# KiCad board System-Controller.kicad_pcb
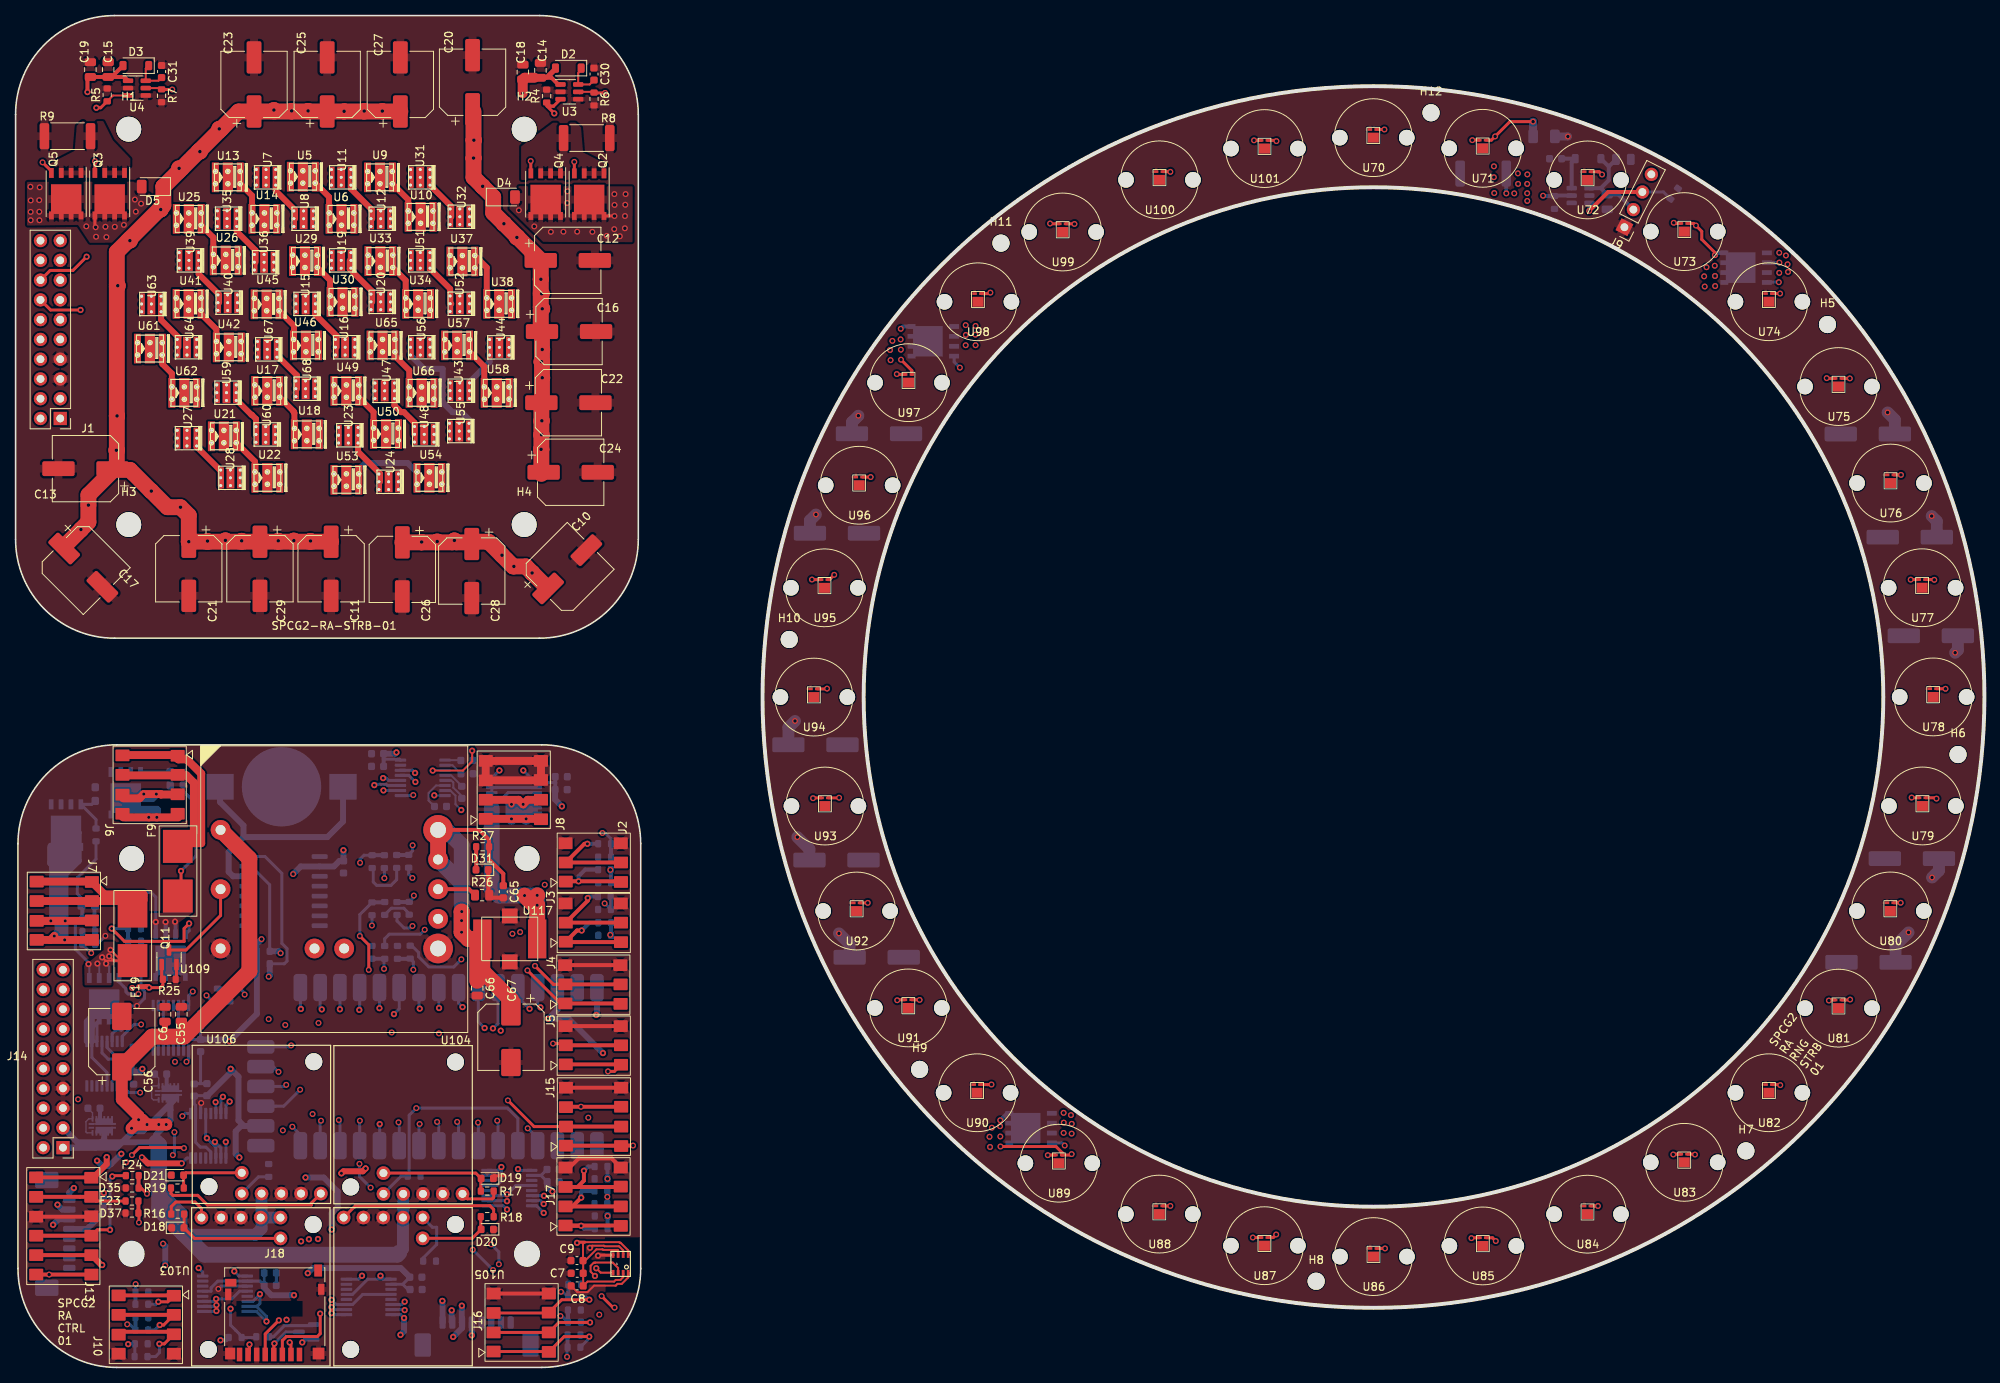
[diagram p0: board, top side]
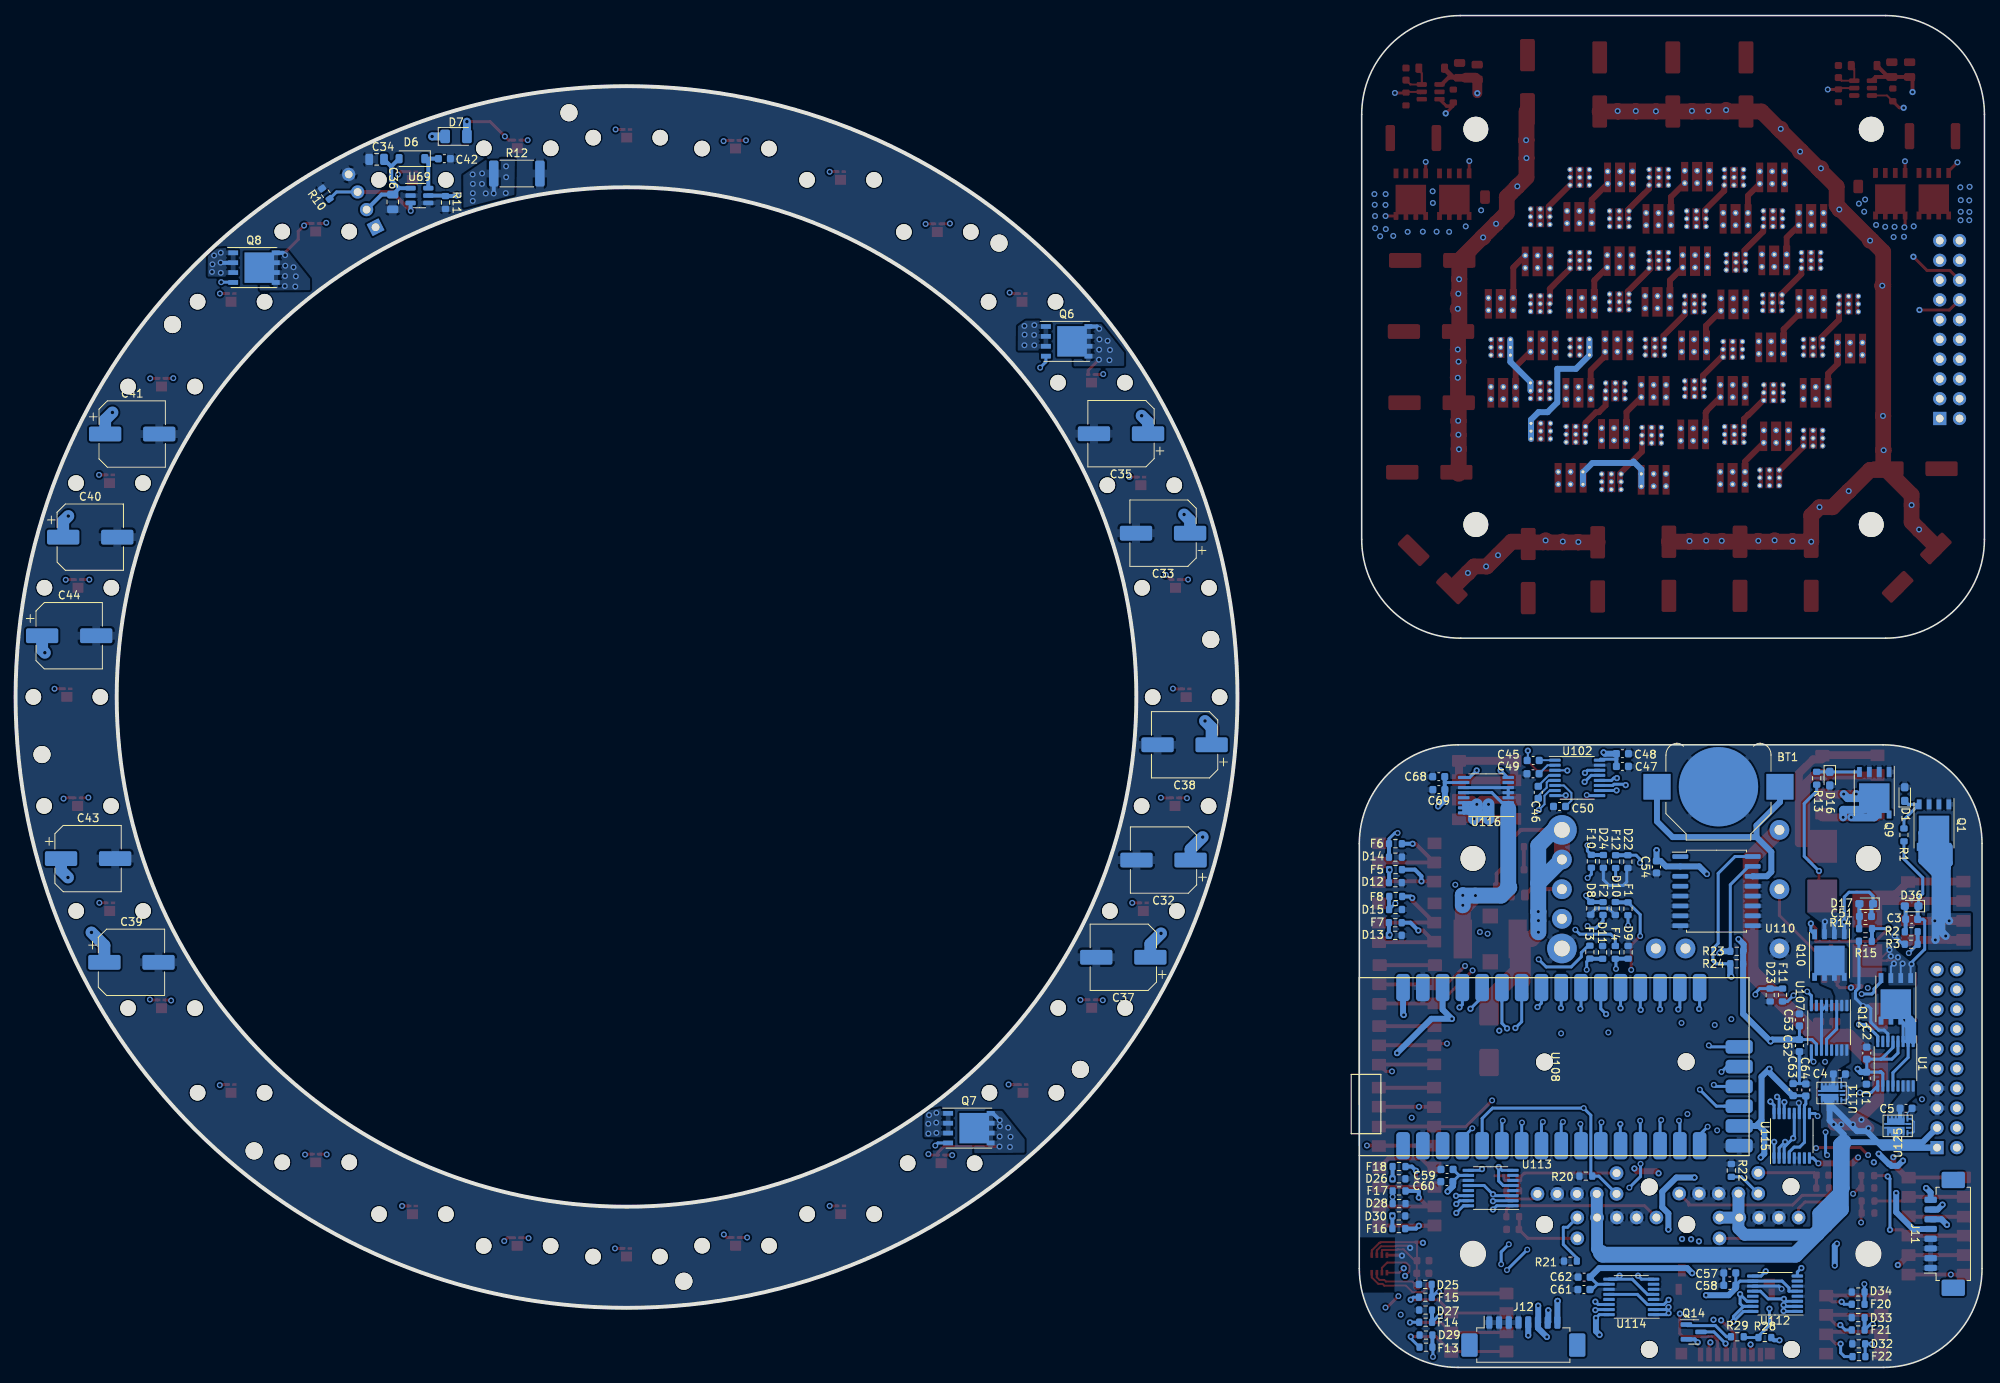
[diagram p1: board, bottom side, seen from below]

Outline 252.93 x 173.7 mm; copper layers: Top, In1.Cu, In2.Cu, In3.Cu, In4.Cu, Bottom. Coordinates in mm from the lower left corner of the outline.
Outline path: circle c14.91,14.6 r1.59 ; circle c65.71,14.6 r1.59 ; circle c174.45,86.14 r65.49 ; circle c174.45,86.14 r78.49 ; 0,161 arc(3.72,169.98) 12.7,173.7 67.3,173.7 arc(76.28,169.98) 80,161 80,106.4 arc(76.28,97.42) 67.3,93.7 12.7,93.7 arc(3.72,97.42) 0,106.4 0,161 ; 0.31,67.3 arc(4.03,76.28) 13.01,80 67.61,80 arc(76.59,76.28) 80.31,67.3 80.31,12.7 arc(76.59,3.72) 67.61,0 13.01,0 arc(4.03,3.72) 0.31,12.7 0.31,67.3
Stack: Top 0.035mm / dielectric 0.2715mm FR4 er 4.5 / In1.Cu 0.035mm / dielectric 0.2715mm FR4 er 4.5 / In2.Cu 0.035mm / dielectric 0.2715mm FR4 er 4.5 / In3.Cu 0.035mm / dielectric 0.2715mm FR4 er 4.5 / In4.Cu 0.035mm / dielectric 0.2715mm FR4 er 4.5 / Bottom 0.035mm

## Placement (name value [footprint] x y rotation side)
BT1  Battery_Cell  [BatteryHolder_Keystone_3000_1x12mm]  34.17 74.61 0 bottom
C1  1 uF  [C_0603_1608Metric]  15.17 37.17 270 bottom
C2  0.1 uF  [C_0603_1608Metric]  15.12 40.39 90 bottom
C3  1 uF  [C_0603_1608Metric]  9.35 57.58 0 bottom
C4  0.1 uF  [C_0603_1608Metric]  18.64 37.69 0 bottom
C5  0.1 uF  [C_0603_1608Metric]  10.07 33.3 0 bottom
C6  10 uF 50V  [C_0805_2012Metric]  19.2 45.38 90 top
C7  0.1 uF  [C_0603_1608Metric]  72.15 12.1 180 top
C8  1 uF  [C_0603_1608Metric]  72.15 10.47 180 top
C9  0.1 uF  [C_0603_1608Metric]  72.12 13.72 180 top
C10  560 uF  [CP_Elec_8x11.9]  70.87 102.55 45 top
C11  560 uF  [CP_Elec_8x11.9]  40.54 102.62 270 top
C12  560 uF  [CP_Elec_8x11.9]  70.94 142.24 0 top
C13  560 uF  [CP_Elec_8x11.9]  8.98 115.48 180 top
C14  10 uF  [C_0805_2012Metric]  67.43 166.66 90 top
C15  10 uF  [C_0805_2012Metric]  11.9 166.76 90 top
C16  560 uF  [CP_Elec_8x11.9]  71.1 133.1 0 top
C17  560 uF  [CP_Elec_8x11.9]  8.7 102.76 315 top
C18  1 uF  [C_0805_2012Metric]  65.17 166.44 90 top
C19  1 uF  [C_0805_2012Metric]  9.61 166.76 90 top
C20  560 uF  [CP_Elec_8x11.9]  58.71 165.14 90 top
C21  560 uF  [CP_Elec_8x11.9]  22.25 102.62 270 top
C22  560 uF  [CP_Elec_8x11.9]  71.02 123.96 0 top
C23  560 uF  [CP_Elec_8x11.9]  30.63 164.85 90 top
C24  560 uF  [CP_Elec_8x11.9]  71.31 115.02 0 top
C25  560 uF  [CP_Elec_8x11.9]  40.03 164.85 90 top
C26  560 uF  [CP_Elec_8x11.9]  49.68 102.54 270 top
C27  560 uF  [CP_Elec_8x11.9]  49.43 164.85 90 top
C28  560 uF  [CP_Elec_8x11.9]  58.61 102.33 270 top
C29  560 uF  [CP_Elec_8x11.9]  31.4 102.62 270 top
C30  0.22 uF  [C_0603_1608Metric]  74.31 166.19 270 top
C31  0.22 uF  [C_0603_1608Metric]  18.76 166.51 270 top
C32  560 uF  [CP_Elec_8x11.9]  105.46 65.19 0 bottom
C33  560 uF  [CP_Elec_8x11.9]  105.52 107.19 0 bottom
C34  10 uF  [C_0805_2012Metric]  206.55 155.22 0 bottom
C35  560 uF  [CP_Elec_8x11.9]  110.92 119.97 0 bottom
C36  1 uF  [C_0805_2012Metric]  204.48 149.75 270 bottom
C37  560 uF  [CP_Elec_8x11.9]  110.62 52.7 0 bottom
C38  560 uF  [CP_Elec_8x11.9]  102.75 80 0 bottom
C39  560 uF  [CP_Elec_8x11.9]  238.04 52.05 180 bottom
C40  560 uF  [CP_Elec_8x11.9]  243.34 106.68 180 bottom
C41  560 uF  [CP_Elec_8x11.9]  237.95 119.93 180 bottom
C42  0.22 uF  [C_0603_1608Metric]  197.84 155.31 0 bottom
C43  560 uF  [CP_Elec_8x11.9]  243.61 65.38 180 bottom
C44  560 uF  [CP_Elec_8x11.9]  246.04 94.01 180 bottom
C45  100 nF  [C_0603_1608Metric]  57.97 77.99 180 bottom
C46  100 nF  [C_0603_1608Metric]  57.32 73.9 90 bottom
C47  100 nF  [C_0603_1608Metric]  46.51 77.23 180 bottom
C48  100 nF  [C_0603_1608Metric]  46.51 78.86 180 bottom
C49  100 nF  [C_0603_1608Metric]  57.99 76.28 0 bottom
C50  100 nF  [C_0603_1608Metric]  54.59 72.08 180 bottom
C51  1 uF  [C_0603_1608Metric]  15.28 57.96 0 bottom
C52  1 uF  [C_0603_1608Metric]  23.77 41.35 270 bottom
C53  0.1 uF  [C_0603_1608Metric]  23.77 44.66 90 bottom
C54  1 uF  [C_0603_1608Metric]  42.13 64.3 90 bottom
C55  10 uF 50V  [C_0805_2012Metric]  21.3 45.39 90 top
C56  220 uF 50V  [CP_Elec_8x10]  13.65 41.86 90 top
C57  1 uF  [C_0603_1608Metric]  32.72 12.14 0 bottom
C58  0.1 uF  [C_0603_1608Metric]  32.72 10.55 0 bottom
C59  1 uF  [C_0603_1608Metric]  69.04 25.44 0 bottom
C60  0.1 uF  [C_0603_1608Metric]  69.07 23.87 0 bottom
C61  1 uF  [C_0603_1608Metric]  51.46 10.01 0 bottom
C62  0.1 uF  [C_0603_1608Metric]  51.43 11.6 0 bottom
C63  1 uF  [C_0603_1608Metric]  24.58 35.69 90 bottom
C64  0.1 uF  [C_0603_1608Metric]  22.95 35.65 90 bottom
C65  0.1 uF 50V  [C_0603_1608Metric]  62.66 61.12 270 top
C66  10 uF 25V  [C_0805_2012Metric]  59.31 48.73 270 top
C67  330 uF 25V  [CP_Elec_8x10]  63.64 42.43 270 top
C68  1 uF  [C_0603_1608Metric]  70.11 75.9 0 bottom
C69  0.1 uF  [C_0603_1608Metric]  70.09 74.24 0 bottom
D1  CZRU52C15  [D_0603_1608Metric_Pad1.05x0.95mm_HandSolder]  10.24 73.67 90 bottom
D2  BAV3004W  [D_SOD-123]  71.01 166.95 180 top
D3  BAV3004W  [D_SOD-123]  15.45 167.27 180 top
D4  SD1206S040S2R0  [D_1206_3216Metric]  62.76 150.38 0 top
D5  SD1206S040S2R0  [D_1206_3216Metric]  17.61 151.73 180 top
D6  BAV3004W  [D_SOD-123]  202.01 155.31 0 bottom
D7  SD1206S040S2R0  [D_1206_3216Metric]  196.35 158.17 180 bottom
D8  SP1103C-01UTG  [R_0603_1608Metric]  50.57 59 270 bottom
D9  SP1103C-01UTG  [R_0603_1608Metric]  45.78 53.34 90 bottom
D10  SP1103C-01UTG  [R_0603_1608Metric]  47.42 58.98 270 bottom
D11  SP1103C-01UTG  [R_0603_1608Metric]  49.06 53.33 90 bottom
D12  CPDUR12V-HF  [R_0603_1608Metric]  75.68 62.29 180 bottom
D13  CPDUR12V-HF  [R_0603_1608Metric]  75.69 55.52 180 bottom
D14  CPDUR12V-HF  [R_0603_1608Metric]  75.67 65.57 180 bottom
D15  CPDUR12V-HF  [R_0603_1608Metric]  75.66 58.84 180 bottom
D16  CZRU52C15  [D_0603_1608Metric_Pad1.05x0.95mm_HandSolder]  19.87 75.66 270 bottom
D17  CZRU52C15  [D_0603_1608Metric_Pad1.05x0.95mm_HandSolder]  15.18 59.58 0 bottom
D18  GRN 1.9V/2mA  [LED_0603_1608Metric]  20.85 17.93 0 top
D19  RED 1.8V/2mA  [LED_0603_1608Metric]  60.6 24.28 180 top
D20  YEL 1.85V/2mA  [LED_0603_1608Metric]  60.6 17.74 180 top
D21  PURP 2.8V/2mA  [LED_0603_1608Metric]  20.8 24.7 0 top
D22  SP1103C-01UTG  [R_0603_1608Metric]  45.81 64.99 270 bottom
D23  SP1103C-01UTG  [R_0603_1608Metric]  27.53 47.85 270 bottom
D24  SP1103C-01UTG  [R_0603_1608Metric]  48.96 65.02 270 bottom
D25  SP1103C-01UTG  [R_0603_1608Metric]  71.83 10.67 0 bottom
D26  SP1103C-01UTG  [R_0603_1608Metric]  75.22 24.24 180 bottom
D27  SP1103C-01UTG  [R_0603_1608Metric]  71.79 7.37 0 bottom
D28  SP1103C-01UTG  [R_0603_1608Metric]  75.2 21.05 180 bottom
D29  SP1103C-01UTG  [R_0603_1608Metric]  71.74 4.16 0 bottom
D30  SP1103C-01UTG  [R_0603_1608Metric]  75.23 19.46 180 bottom
D31  Yellow 2V 2mA  [LED_0603_1608Metric]  59.94 63.94 180 top
D32  SP1103C-01UTG  [R_0603_1608Metric]  16.15 3.03 0 bottom
D33  SP1103C-01UTG  [R_0603_1608Metric]  16.22 6.4 0 bottom
D34  SP1103C-01UTG  [R_0603_1608Metric]  16.22 9.69 0 bottom
D35  SP1103C-01UTG  [R_0603_1608Metric]  14.98 23.06 180 top
D36  CZRU52C15  [D_0603_1608Metric_Pad1.05x0.95mm_HandSolder]  9.35 59.28 0 bottom
D37  SP1103C-01UTG  [R_0603_1608Metric]  14.95 19.84 180 top
F1  PTC  [R_0603_1608Metric]  45.79 58.93 90 bottom
F2  PTC  [R_0603_1608Metric]  49 58.97 90 bottom
F3  PTC  [R_0603_1608Metric]  50.69 53.36 270 bottom
F4  PTC  [R_0603_1608Metric]  47.42 53.33 270 bottom
F5  PTC  [R_0603_1608Metric]  75.65 63.97 0 bottom
F6  PTC  [R_0603_1608Metric]  75.67 67.29 0 bottom
F7  PTC  [R_0603_1608Metric]  75.68 57.14 0 bottom
F8  PTC  [R_0603_1608Metric]  75.63 60.51 0 bottom
F9  01550900M(Holder)  [01550900M]  20.84 63.76 270 top
F10  PTC  [R_0603_1608Metric]  50.5 65.04 90 bottom
F11  PTC  [R_0603_1608Metric]  25.94 47.86 90 bottom
F12  PTC  [R_0603_1608Metric]  47.38 64.99 90 bottom
F13  PTC  [R_0603_1608Metric]  71.74 2.6 180 bottom
F14  PTC  [R_0603_1608Metric]  71.79 5.81 180 bottom
F15  PTC  [R_0603_1608Metric]  71.82 9.02 180 bottom
F16  PTC  [R_0603_1608Metric]  75.23 17.84 0 bottom
F17  PTC  [R_0603_1608Metric]  75.2 22.68 0 bottom
F18  PTC  [R_0603_1608Metric]  75.21 25.81 0 bottom
F19  01550900M(Holder)  [01550900M]  15.03 55.46 270 top
F20  PTC  [R_0603_1608Metric]  16.22 8.12 180 bottom
F21  PTC  [R_0603_1608Metric]  16.22 4.81 180 bottom
F22  PTC  [R_0603_1608Metric]  16.12 1.39 180 bottom
F23  PTC  [R_0603_1608Metric]  14.96 21.38 180 top
F24  PTC  [R_0603_1608Metric]  14.99 24.64 180 top
H1  MountingHole_Pad  [MountingHole_3.2mm_M3]  14.54 159.1 0 top
H2  MountingHole_Pad  [MountingHole_3.2mm_M3]  65.34 159.1 0 top
H3  MountingHole_Pad  [MountingHole_3.2mm_M3]  14.54 108.3 0 top
H4  MountingHole_Pad  [MountingHole_3.2mm_M3]  65.34 108.3 0 top
H5  MountingHole_Pad  [MountingHole_2.2mm_M2_ISO7380]  232.77 134 0 top
H6  MountingHole_Pad  [MountingHole_2.2mm_M2_ISO7380]  249.54 78.75 0 top
H7  MountingHole_Pad  [MountingHole_2.2mm_M2_ISO7380]  222.29 27.82 0 top
H8  MountingHole_Pad  [MountingHole_2.2mm_M2_ISO7380]  167.08 11.07 0 top
H9  MountingHole_Pad  [MountingHole_2.2mm_M2_ISO7380]  116.14 38.29 0 top
H10  MountingHole_Pad  [MountingHole_2.2mm_M2_ISO7380]  99.39 93.53 0 top
H11  MountingHole_Pad  [MountingHole_2.2mm_M2_ISO7380]  126.59 144.46 0 top
H12  MountingHole_Pad  [MountingHole_2.2mm_M2_ISO7380]  181.84 161.21 0 top
H13  MountingHole_Pad  [MountingHole_3.2mm_M3_ISO14580]  14.91 65.4 0 top
H14  MountingHole_Pad  [MountingHole_3.2mm_M3_ISO14580]  65.71 14.6 0 top
H15  MountingHole_Pad  [MountingHole_3.2mm_M3_ISO14580]  14.91 14.6 0 top
H16  MountingHole_Pad  [MountingHole_3.2mm_M3_ISO14580]  65.71 65.4 0 top
J1  Conn_02x10_Odd_Even  [PinHeader_2x10_P2.54mm_Vertical]  5.74 121.93 180 top
J2  RS-232-0  [009276003021906]  77.75 64.85 90 top
J3  RS-232-1  [009276003021906]  77.75 57.12 90 top
J4  UART-0  [009276003021906]  77.7 49.19 90 top
J5  UART-1  [009276003021906]  77.75 41.36 90 top
J6  PWR IN  [009276004021006]  13.73 74.89 270 top
J7  PWR IN  [009276004021006]  2.71 58.68 270 top
J8  12V  [009276004021006]  67.5 74.18 90 top
J9  Conn_01x04  [PinHeader_1x04_P2.54mm_Vertical]  206.68 146.51 153 top
J10  GPIO_TRIG_02  [009276004021006]  13.24 5.51 270 top
J11  Conn_01x08  [Molex_PicoBlade_53261-0871_1x08-1MP_P1.25mm_Horizontal]  4.51 17.16 90 bottom
J12  Conn_01x08  [Molex_PicoBlade_53261-0871_1x08-1MP_P1.25mm_Horizontal]  59.23 3.37 180 bottom
J13  LED_BOARD_CONN  [009276006021906]  2.65 18.18 270 top
J14  Conn_02x10_Odd_Even  [PinHeader_2x10_P2.54mm_Vertical]  6.09 28.24 180 top
J15  GPIO_TRIG_01  [009276004021006]  77.8 32.19 90 top
J16  ANLG_IN  [009276004021006]  68.51 5.74 90 top
J17  GPIO_TRIG_02  [009276004021006]  77.75 21.93 90 top
J18  Micro_SD_Card_Det_Hirose_DM3AT  [microSD_HC_Hirose_DM3D-SF]  33.3 7.01 0 top
Q1  SIR638ADP-T1-RE3  [PowerPAK_SO-8_Single]  6.48 69.68 270 bottom
Q2  SIR638ADP-T1-RE3  [PowerPAK_SO-8_Single]  73.69 150.75 270 top
Q3  SIR638ADP-T1-RE3  [PowerPAK_SO-8_Single]  12.09 150.81 270 top
Q4  SIR638ADP-T1-RE3  [PowerPAK_SO-8_Single]  68.1 150.75 270 top
Q5  SIR638ADP-T1-RE3  [PowerPAK_SO-8_Single]  6.5 150.81 270 top
Q6  SIR638ADP-T1-RE3  [PowerPAK_SO-8_Single]  117.9 131.84 180 bottom
Q7  SIR638ADP-T1-RE3  [PowerPAK_SO-8_Single]  130.46 30.75 180 bottom
Q8  SIR638ADP-T1-RE3  [PowerPAK_SO-8_Single]  222.31 141.31 180 bottom
Q9  SIR638ADP-T1-RE3  [PowerPAK_SO-8_Single]  14.15 73.84 270 bottom
Q10  SI7155DP-T1-GE3  [PowerPAK_SO-8_Single]  19.91 52.98 270 bottom
Q11  2N7002  [SOT-23]  19.72 52.69 90 top
Q12  SI7155DP-T1-GE3  [PowerPAK_SO-8_Single]  11.38 47.36 270 bottom
Q14  Q_PMOS_GSD  [SOT-23]  37.35 4.56 180 bottom
R1  10K  [R_0603_1608Metric]  10.34 68.42 90 bottom
R2  100  [R_0603_1608Metric]  9.4 55.98 0 bottom
R3  499k  [R_0603_1608Metric]  9.4 54.38 0 bottom
R4  10K  [R_0603_1608Metric]  68.23 163.36 90 top
R5  10K  [R_0603_1608Metric]  11.77 163.51 90 top
R6  10K  [R_0603_1608Metric]  74.31 162.98 270 top
R7  10K  [R_0603_1608Metric]  18.76 163.39 270 top
R8  .001 2W  [R_2512_6332Metric]  73.37 157.96 0 top
R9  .001 2W  [R_2512_6332Metric]  6.67 158.2 180 top
R10  10K  [R_0603_1608Metric]  213.07 150.81 54 bottom
R11  10K  [R_0603_1608Metric]  197.7 149.68 270 bottom
R12  .001 2W  [R_2512_6332Metric]  188.54 153.4 180 bottom
R13  10K  [R_0603_1608Metric]  21.55 75.7 90 bottom
R14  100  [R_0603_1608Metric]  15.27 56.38 0 bottom
R15  499k  [R_0603_1608Metric]  15.3 54.76 0 bottom
R16  10k  [R_0603_1608Metric]  20.83 19.7 180 top
R17  10k  [R_0603_1608Metric]  60.6 22.66 0 top
R18  10k  [R_0603_1608Metric]  60.59 19.37 0 top
R19  10k  [R_0603_1608Metric]  20.79 23.05 180 top
R20  10k  [R_0603_1608Metric]  51.21 24.58 180 bottom
R21  10k  [R_0603_1608Metric]  53.19 13.66 180 bottom
R22  10k  [R_0603_1608Metric]  32.52 25.31 270 bottom
R23  10k  [R_0603_1608Metric]  31.82 53.47 180 bottom
R24  10k  [R_0603_1608Metric]  31.82 51.87 180 bottom
R25  10K  [R_0603_1608Metric]  19.75 49.87 0 top
R26  3.3k 0.1%  [R_0805_2012Metric]  59.94 60.69 0 top
R27  10K  [R_0603_1608Metric]  60 66.9 180 top
R28  10k  [R_0603_1608Metric]  28.21 3.84 180 bottom
R29  100  [R_0603_1608Metric]  31.75 3.94 180 bottom
U1  INA260  [TSSOP-16_4.4x5mm_P0.65mm]  11.43 39.03 270 bottom
U2  -  [BME280]  77.73 13.3 270 top
U3  LTC4440ES6  [SOT-23-6]  71.14 163.9 0 top
U4  LTC4440ES6  [SOT-23-6]  15.59 164.38 0 top
U5  Cree XP-L  [Cree_XP-L_HI-vias-4]  36.91 153 180 top
U6  Cree XP-L  [Cree_XP-L_HI-vias-4]  41.87 147.58 180 top
U7  -  [SST-10-IR]  32.18 152.91 90 top
U8  -  [SST-10-IR]  37 147.59 90 top
U9  Cree XP-L  [Cree_XP-L_HI-vias-4]  46.81 152.91 180 top
U10  Cree XP-L  [Cree_XP-L_HI-vias-4]  52.03 147.83 180 top
U11  -  [SST-10-IR]  41.83 152.91 90 top
U12  -  [SST-10-IR]  46.91 147.59 90 top
U13  Cree XP-L  [Cree_XP-L_HI-vias-4]  27.27 152.91 180 top
U14  Cree XP-L  [Cree_XP-L_HI-vias-4]  31.97 147.58 180 top
U15  -  [SST-10-IR]  37.26 136.66 90 top
U16  -  [SST-10-IR]  42.34 131.08 90 top
U17  Cree XP-L  [Cree_XP-L_HI-vias-4]  32.34 125.48 180 top
U18  Cree XP-L  [Cree_XP-L_HI-vias-4]  37.42 119.89 180 top
U19  -  [SST-10-IR]  41.83 142.24 90 top
U20  -  [SST-10-IR]  46.91 136.91 90 top
U21  Cree XP-L  [Cree_XP-L_HI-vias-4]  26.76 119.64 180 top
U22  Cree XP-L  [Cree_XP-L_HI-vias-4]  32.35 114.3 180 top
U23  -  [SST-10-IR]  42.75 119.78 90 top
U24  -  [SST-10-IR]  47.93 113.8 90 top
U25  Cree XP-L  [Cree_XP-L_HI-vias-4]  22.25 147.58 180 top
U26  Cree XP-L  [Cree_XP-L_HI-vias-4]  27 142.24 180 top
U27  -  [SST-10-IR]  22.02 119.4 90 top
U28  -  [SST-10-IR]  27.61 114.3 90 top
U29  Cree XP-L  [Cree_XP-L_HI-vias-4]  37.18 142.16 180 top
U30  Cree XP-L  [Cree_XP-L_HI-vias-4]  42 136.91 180 top
U31  -  [SST-10-IR]  51.99 152.91 90 top
U32  -  [SST-10-IR]  57.07 147.85 90 top
U33  Cree XP-L  [Cree_XP-L_HI-vias-4]  46.87 142.16 180 top
U34  Cree XP-L  [Cree_XP-L_HI-vias-4]  51.72 136.66 180 top
U35  -  [SST-10-IR]  27.17 147.61 90 top
U36  -  [SST-10-IR]  31.92 142.01 90 top
U37  Cree XP-L  [Cree_XP-L_HI-vias-4]  57.4 142.11 180 top
U38  Cree XP-L  [Cree_XP-L_HI-vias-4]  62.13 136.66 180 top
U39  -  [SST-10-IR]  22.27 142.24 90 top
U40  -  [SST-10-IR]  27.25 136.81 90 top
U41  Cree XP-L  [Cree_XP-L_HI-vias-4]  22.23 136.65 180 top
U42  Cree XP-L  [Cree_XP-L_HI-vias-4]  27.4 131.07 180 top
U43  -  [SST-10-IR]  57.07 125.5 90 top
U44  -  [SST-10-IR]  62.15 131.07 90 top
U45  Cree XP-L  [Cree_XP-L_HI-vias-4]  32.26 136.59 180 top
U46  Cree XP-L  [Cree_XP-L_HI-vias-4]  37.3 131.32 180 top
U47  -  [SST-10-IR]  47.42 125.48 90 top
U48  -  [SST-10-IR]  52.5 119.89 90 top
U49  Cree XP-L  [Cree_XP-L_HI-vias-4]  42.5 125.48 180 top
U50  Cree XP-L  [Cree_XP-L_HI-vias-4]  47.59 119.94 180 top
U51  -  [SST-10-IR]  51.99 142.24 90 top
U52  -  [SST-10-IR]  57.07 136.67 90 top
U53  Cree XP-L  [Cree_XP-L_HI-vias-4]  42.5 114.05 180 top
U54  Cree XP-L  [Cree_XP-L_HI-vias-4]  53.16 114.3 180 top
U55  -  [SST-10-IR]  57 120.31 90 top
U56  -  [SST-10-IR]  51.99 131.08 90 top
U57  Cree XP-L  [Cree_XP-L_HI-vias-4]  56.73 131.32 180 top
U58  Cree XP-L  [Cree_XP-L_HI-vias-4]  61.81 125.23 180 top
U59  -  [SST-10-IR]  27.1 125.24 90 top
U60  -  [SST-10-IR]  32.14 119.88 90 top
U61  Cree XP-L  [Cree_XP-L_HI-vias-4]  17.26 130.91 180 top
U62  Cree XP-L  [Cree_XP-L_HI-vias-4]  21.68 125.23 180 top
U63  -  [SST-10-IR]  17.45 136.64 90 top
U64  -  [SST-10-IR]  22.02 131.08 90 top
U65  Cree XP-L  [Cree_XP-L_HI-vias-4]  47.14 131.32 180 top
U66  Cree XP-L  [Cree_XP-L_HI-vias-4]  52.16 125.23 180 top
U67  -  [SST-10-IR]  32.33 130.81 90 top
U68  -  [SST-10-IR]  37.26 125.75 90 top
U69  LTC4440ES6  [SOT-23-6]  201.05 150.57 180 bottom
U70  -  [Cree_XE_G]  174.42 158.01 0 top
U71  -  [Cree_XE_G]  188.47 156.64 0 top
U72  -  [Cree_XE_G]  201.95 152.58 0 top
U73  -  [Cree_XE_G]  214.37 145.94 0 top
U74  -  [Cree_XE_G]  225.24 136.93 0 top
U75  -  [Cree_XE_G]  234.18 126.03 0 top
U76  -  [Cree_XE_G]  240.86 113.63 0 top
U77  -  [Cree_XE_G]  244.92 100.18 0 top
U78  -  [Cree_XE_G]  246.34 86.15 0 top
U79  -  [Cree_XE_G]  244.96 72.14 0 top
U80  -  [Cree_XE_G]  240.84 58.65 0 top
U81  -  [Cree_XE_G]  234.18 46.16 0 top
U82  -  [Cree_XE_G]  225.24 35.29 0 top
U83  -  [Cree_XE_G]  214.36 26.35 0 top
U84  -  [Cree_XE_G]  201.94 19.69 0 top
U85  -  [Cree_XE_G]  188.49 15.61 0 top
U86  -  [Cree_XE_G]  174.44 14.24 0 top
U87  -  [Cree_XE_G]  160.43 15.64 0 top
U88  -  [Cree_XE_G]  146.93 19.7 0 top
U89  -  [Cree_XE_G]  134.02 26.24 0 top
U90  -  [Cree_XE_G]  123.52 35.29 0 top
U91  -  [Cree_XE_G]  114.69 46.19 0 top
U92  -  [Cree_XE_G]  108.05 58.64 0 top
U93  -  [Cree_XE_G]  103.97 72.13 0 top
U94  -  [Cree_XE_G]  102.55 86.13 0 top
U95  -  [Cree_XE_G]  103.91 100.17 0 top
U96  -  [Cree_XE_G]  108.37 113.35 0 top
U97  -  [Cree_XE_G]  114.71 126.53 0 top
U98  -  [Cree_XE_G]  123.63 136.92 0 top
U99  -  [Cree_XE_G]  134.51 145.89 0 top
U100  -  [Cree_XE_G]  146.95 152.59 0 top
U101  -  [Cree_XE_G]  160.44 156.61 0 top
U102  MAX3232E-QE  [TSSOP-16_4.4x5mm_P0.65mm]  52.31 75.75 180 bottom
U103  -  [D36V28F5]  31.27 11.5 180 top
U104  D36V28F7p5  [D36V28F5]  50.02 30.05 0 top
U105  D36V28F7p5  [D36V28F5]  49.54 11.51 180 top
U106  D36V28F7p5  [D36V28F5]  31.82 30.09 0 top
U107  INA260  [TSSOP-16_4.4x5mm_P0.65mm]  19.96 43.64 270 bottom
U108  MoteinoM0  [MoteinoM0_SMD]  55.64 38.65 90 bottom
U109  i7C4W012A050V-0C3-R  [TDK-I7C4W]  40.31 61.45 0 top
U110  DS3231M  [SOIC-16W_7.5x10.3mm_P1.27mm]  34.42 61.2 180 bottom
U111  -  [LTC4451]  19.64 35.27 270 bottom
U112  INA260  [TSSOP-16_4.4x5mm_P0.65mm]  26.9 9.47 0 bottom
U113  INA260  [TSSOP-16_4.4x5mm_P0.65mm]  63.44 23.05 0 bottom
U114  INA260  [TSSOP-16_4.4x5mm_P0.65mm]  45.37 9.06 0 bottom
U115  INA260  [TSSOP-16_4.4x5mm_P0.65mm]  24.75 29.77 90 bottom
U116  INA260  [TSSOP-16_4.4x5mm_P0.65mm]  64.04 73.53 0 bottom
U117  -  [SBSMP]  63.49 55.06 0 top
U125  -  [LTC4451]  11.14 31.04 270 bottom
